# KiCad board input-output.Disk.kicad_pcb
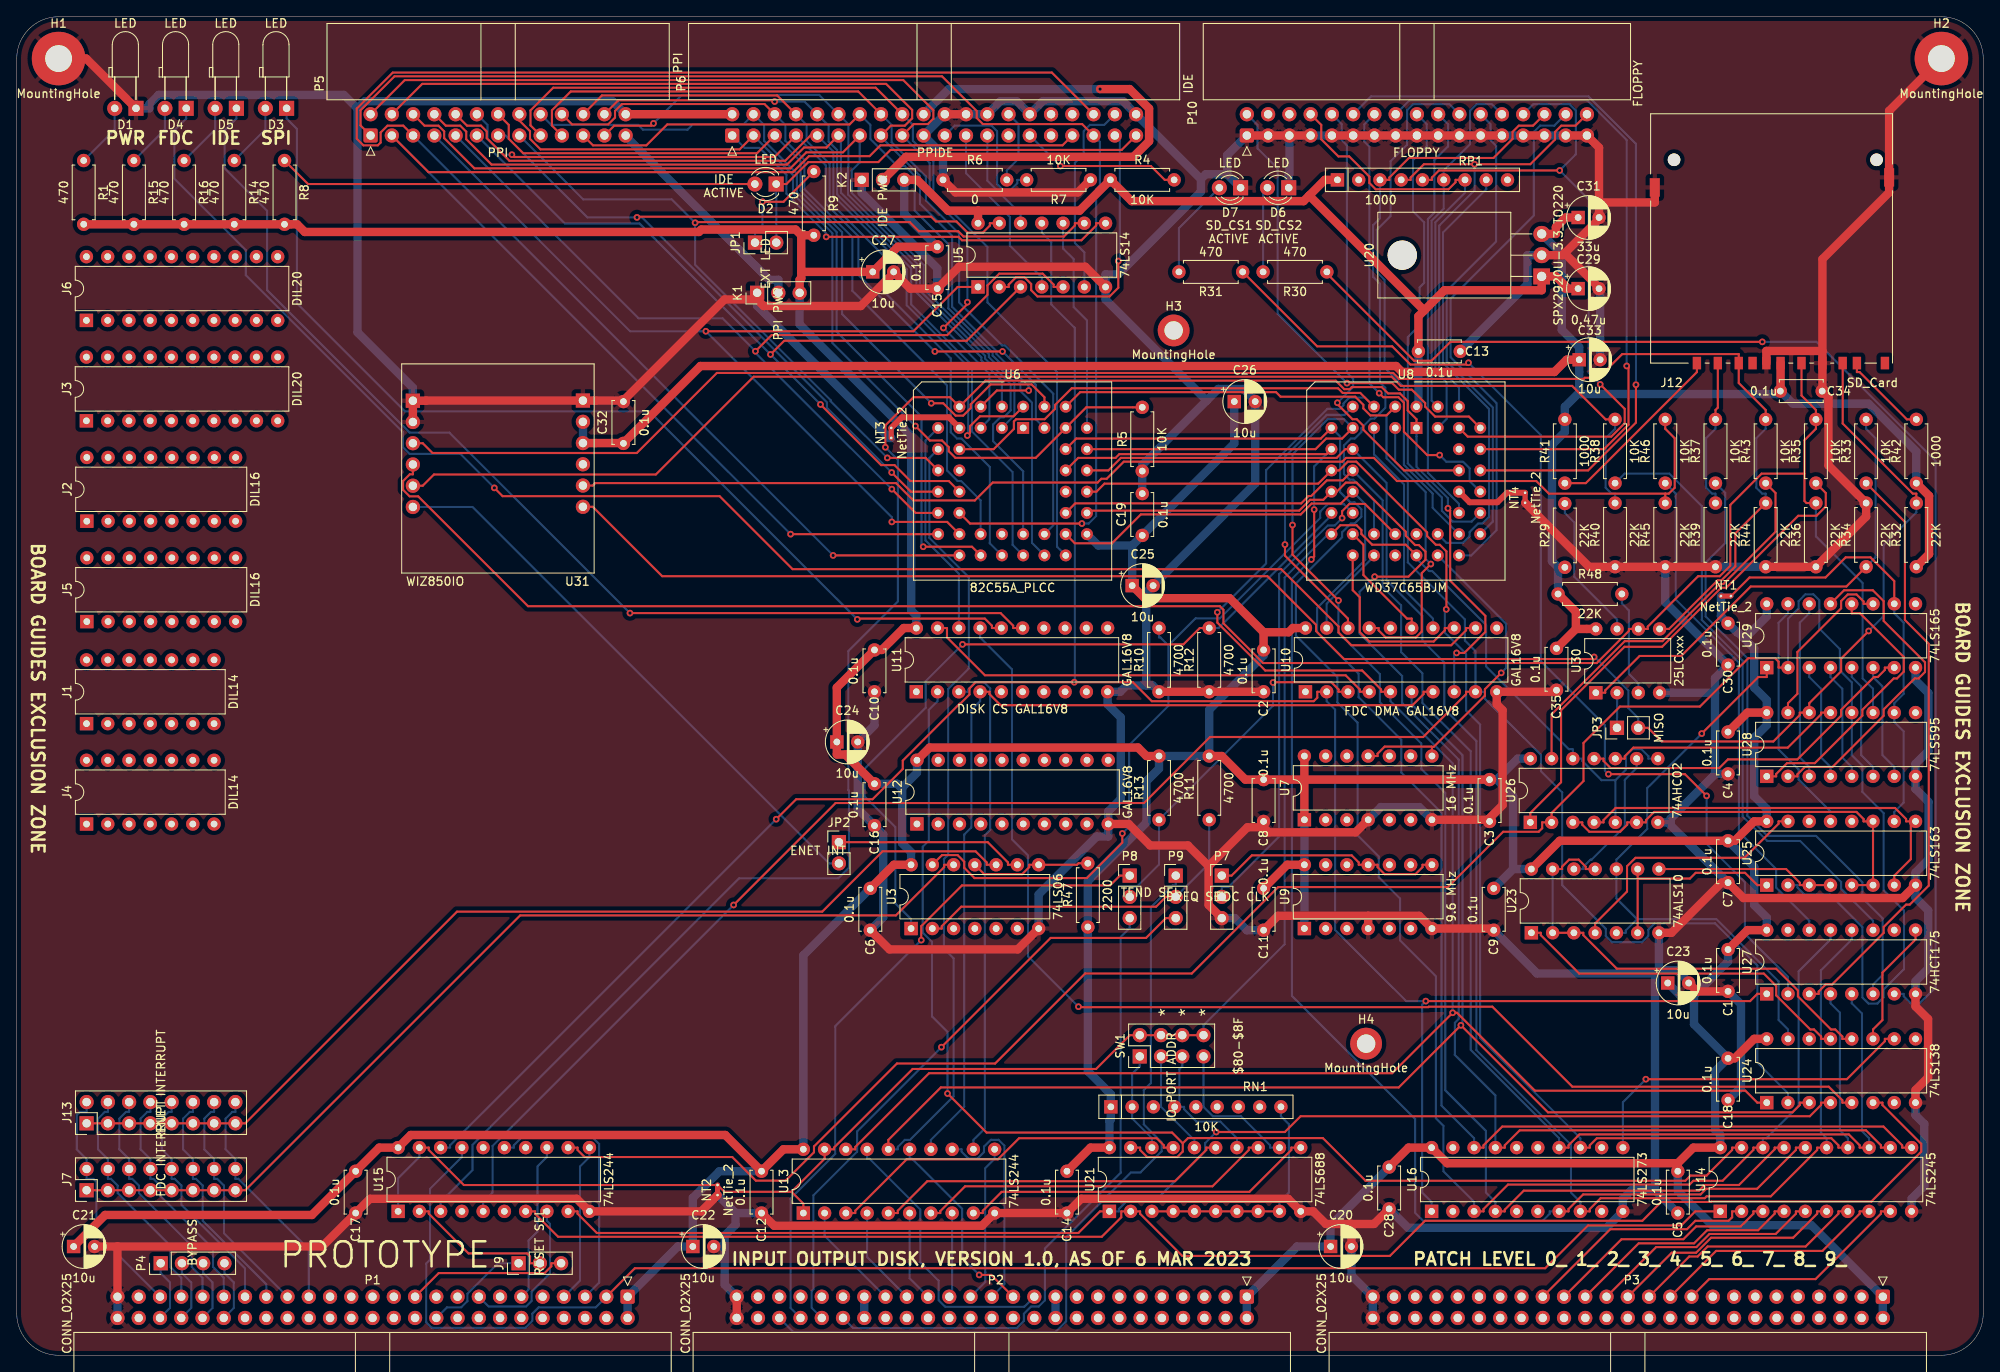
[diagram p0: board, top side]
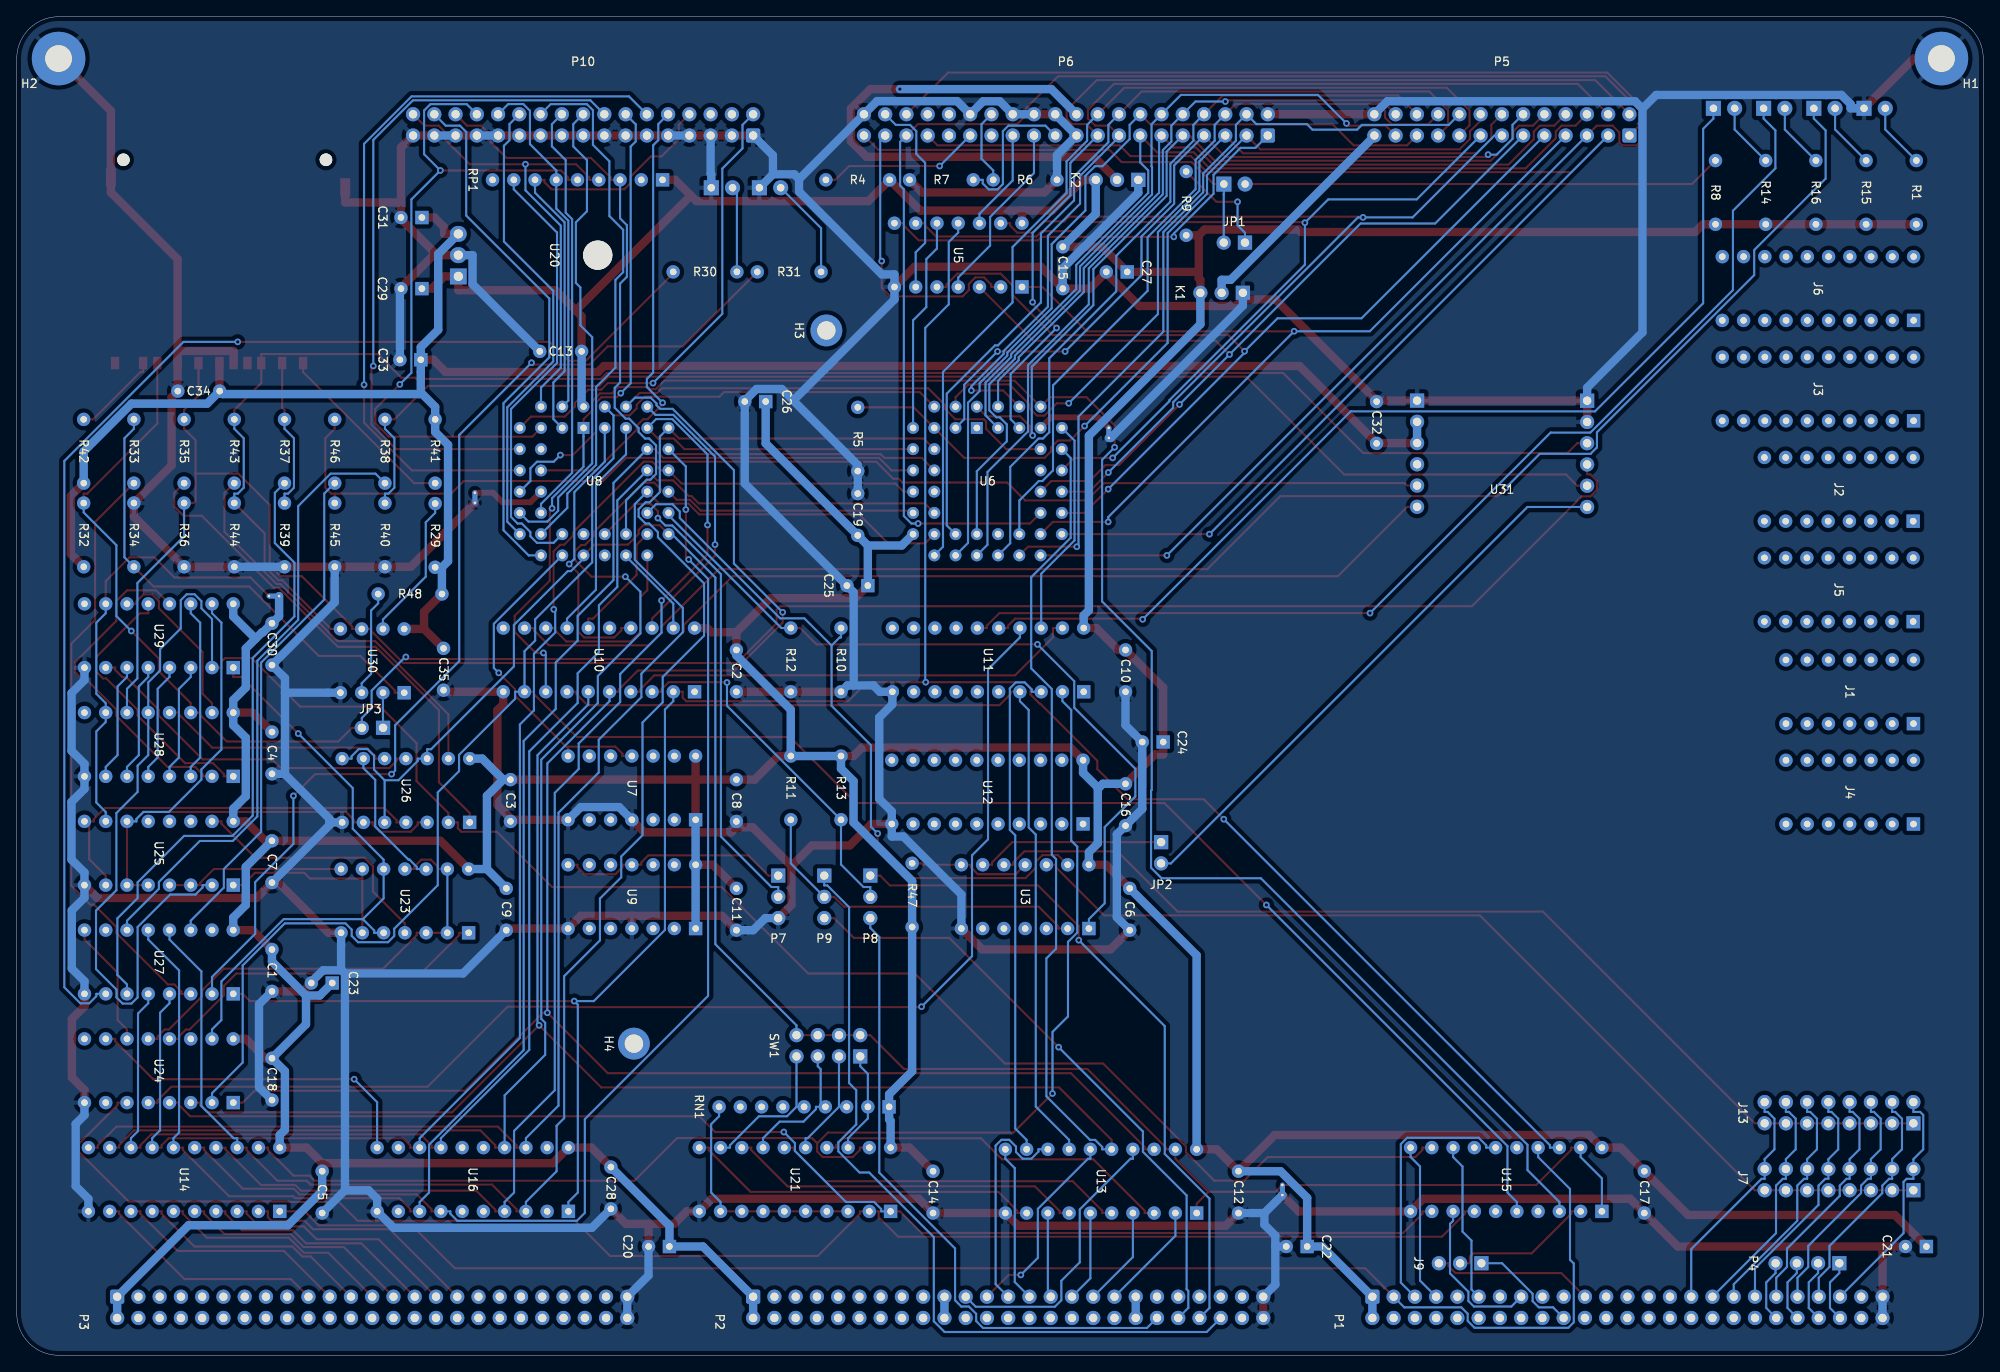
[diagram p1: board, bottom side, seen from below]

Outline 235 x 160 mm; copper layers: Top, Bottom. Coordinates in mm from the lower left corner of the outline.
Outline path: 0,155 0,5 arc(1.46,1.46) 5,0 230,0 arc(233.54,1.46) 235,5 235,155 arc(233.54,158.54) 230,160 5,160 arc(1.46,158.54) 0,155
Stack: Top 0.035mm / dielectric 1.51mm FR4 er 4.5 / Bottom 0.035mm

## Placement (name value [footprint] x y rotation side)
C1  0.1u  [C_Disc_D5.0mm_W2.5mm_P5.00mm]  204.5 48.5 270 top
C2  0.1u  [C_Disc_D5.0mm_W2.5mm_P5.00mm]  149 84.31 270 top
C3  0.1u  [C_Disc_D5.0mm_W2.5mm_P5.00mm]  176 68.81 270 top
C4  0.1u  [C_Disc_D5.0mm_W2.5mm_P5.00mm]  204.5 74.5 270 top
C5  0.1u  [C_Disc_D5.0mm_W2.5mm_P5.00mm]  198.5 22 270 top
C6  0.1u  [C_Disc_D5.0mm_W2.5mm_P5.00mm]  102 55.81 270 top
C7  0.1u  [C_Disc_D5.0mm_W2.5mm_P5.00mm]  204.5 61.5 270 top
C8  0.1u  [C_Disc_D5.0mm_W2.5mm_P5.00mm]  149 68.81 270 top
C9  0.1u  [C_Disc_D5.0mm_W2.5mm_P5.00mm]  176.5 55.81 270 top
C10  0.1u  [C_Disc_D5.0mm_W2.5mm_P5.00mm]  102.5 84.31 270 top
C11  0.1u  [C_Disc_D5.0mm_W2.5mm_P5.00mm]  149 55.81 270 top
C12  0.1u  [C_Disc_D5.0mm_W2.5mm_P5.00mm]  89 22 270 top
C13  0.1u  [C_Disc_D5.0mm_W2.5mm_P5.00mm]  167.5 120 0 top
C14  0.1u  [C_Disc_D5.0mm_W2.5mm_P5.00mm]  125.5 22 270 top
C15  0.1u  [C_Disc_D5.0mm_W2.5mm_P5.00mm]  110 132.5 270 top
C16  0.1u  [C_Disc_D5.0mm_W2.5mm_P5.00mm]  102.5 68.31 270 top
C17  0.1u  [C_Disc_D5.0mm_W2.5mm_P5.00mm]  40.5 22 270 top
C18  0.1u  [C_Disc_D5.0mm_W2.5mm_P5.00mm]  204.5 35.5 270 top
C19  0.1u  [C_Disc_D5.0mm_W2.5mm_P5.00mm]  134.5 98 90 top
C20  10u  [CP_Radial_D5.0mm_P2.50mm]  157 13 0 top
C21  10u  [CP_Radial_D5.0mm_P2.50mm]  6.79 13 0 top
C22  10u  [CP_Radial_D5.0mm_P2.50mm]  80.79 13 0 top
C23  10u  [CP_Radial_D5.0mm_P2.50mm]  197.29 44.5 0 top
C24  10u  [CP_Radial_D5.0mm_P2.50mm]  98 73.31 0 top
C25  10u  [CP_Radial_D5.0mm_P2.50mm]  133.29 92 0 top
C26  10u  [CP_Radial_D5.0mm_P2.50mm]  145.5 114 0 top
C27  10u  [CP_Radial_D5.0mm_P2.50mm]  102.29 129.5 0 top
C28  0.1u  [C_Disc_D5.0mm_W2.5mm_P5.00mm]  164 22.5 270 top
C29  0.47u  [CP_Radial_D5.0mm_P2.50mm]  186.58 127.5 0 top
C30  0.1u  [C_Disc_D5.0mm_W2.5mm_P5.00mm]  204.5 87.5 270 top
C31  33u  [CP_Radial_D5.0mm_P2.50mm]  186.58 136 0 top
C32  0.1u  [C_Disc_D5.0mm_W2.5mm_P5.00mm]  72.5 109 90 top
C33  10u  [CP_Radial_D5.0mm_P2.50mm]  186.71 119 0 top
C34  0.1u  [C_Disc_D5.0mm_W2.5mm_P5.00mm]  210.75 115.25 0 top
C35  0.1u  [C_Disc_D5.0mm_W2.5mm_P5.00mm]  184 84.5 270 top
D1  LED  [LED_D3.0mm_Horizontal_O3.81mm_Z2.0mm]  14.25 149.05 180 top
D2  LED  [LED_D3.0mm]  90.75 140 180 top
D3  LED  [LED_D3.0mm_Horizontal_O3.81mm_Z2.0mm]  32.25 149.05 180 top
D4  LED  [LED_D3.0mm_Horizontal_O3.81mm_Z2.0mm]  20.25 149.05 180 top
D5  LED  [LED_D3.0mm_Horizontal_O3.81mm_Z2.0mm]  26.25 149.05 180 top
D6  LED  [LED_D3.0mm]  152 139.56 180 top
D7  LED  [LED_D3.0mm]  146.25 139.56 180 top
H1  MountingHole  [MountingHole_3.2mm_M3_Pad]  5 155 0 top
H2  MountingHole  [MountingHole_3.2mm_M3_Pad]  230 155 0 top
H3  MountingHole  [MountingHole_2.2mm_M2_DIN965_Pad]  138.25 122.5 0 top
H4  MountingHole  [MountingHole_2.2mm_M2_DIN965_Pad]  161.25 37.25 0 top
J1  DIL14  [DIP-14_W7.62mm]  8.34 75.5 90 top
J2  DIL16  [DIP-16_W7.62mm]  8.38 99.7 90 top
J3  DIL20  [DIP-20_W7.62mm]  8.33 111.7 90 top
J4  DIL14  [DIP-14_W7.62mm]  8.34 63.5 90 top
J5  DIL16  [DIP-16_W7.62mm]  8.38 87.7 90 top
J6  DIL20  [DIP-20_W7.62mm]  8.33 123.7 90 top
J7  FDC INTERRUPT  [PinHeader_2x08_P2.54mm_Vertical]  8.35 19.72 90 top
J9  RESET SEL  [PinHeader_1x03_P2.54mm_Vertical]  59.97 11 90 top
J12  SD_Card  [SD_Card_Receptacle]  209.75 130.75 180 top
J13  ENET INTERRUPT  [PinHeader_2x08_P2.54mm_Vertical]  8.35 27.72 90 top
JP1  EXT LED  [PinHeader_1x02_P2.54mm_Vertical]  88.22 133 90 top
JP2  ENET INT  [PinHeader_1x02_P2.54mm_Vertical]  98.25 61.34 0 top
JP3  MISO  [PinHeader_1x02_P2.54mm_Vertical]  191.22 75 90 top
K1  PPI PWR  [PinHeader_1x03_P2.54mm_Vertical]  88.47 127 90 top
K2  IDE PWR  [PinHeader_1x03_P2.54mm_Vertical]  100.97 140.5 90 top
NT1  NetTie_2  [NetTie-2_THT_Pad0.3mm]  203.65 90.75 0 top
NT2  NetTie_2  [NetTie-2_THT_Pad0.3mm]  83.75 19.15 90 top
NT3  NetTie_2  [NetTie-2_THT_Pad0.3mm]  104.5 109.65 90 top
NT4  NetTie_2  [NetTie-2_THT_Pad0.3mm]  180.25 101.9 90 top
P1  CONN_02X25  [IDC-Header_2x25_P2.54mm_Horizontal]  73 7 270 top
P2  CONN_02X25  [IDC-Header_2x25_P2.54mm_Horizontal]  147 7 270 top
P3  CONN_02X25  [IDC-Header_2x25_P2.54mm_Horizontal]  223 7 270 top
P4  BYPASS  [PinHeader_1x04_P2.54mm_Vertical]  17.2 11 90 top
P5  PPI  [IDC-Header_2x13_P2.54mm_Horizontal]  42.28 145.8 90 top
P6  IDE  [IDC-Header_2x20_P2.54mm_Horizontal]  85.5 145.8 90 top
P7  FDC CLK  [PinHeader_1x03_P2.54mm_Vertical]  144 57.34 0 top
P8  TEND SEL  [PinHeader_1x03_P2.54mm_Vertical]  133 57.34 0 top
P9  DREQ SEL  [PinHeader_1x03_P2.54mm_Vertical]  138.5 57.34 0 top
P10  FLOPPY  [IDC-Header_2x17_P2.54mm_Horizontal]  147 145.8 90 top
R1  470  [R_Axial_DIN0207_L6.3mm_D2.5mm_P7.62mm_Horizontal]  8 142.81 270 top
R4  10K  [R_Axial_DIN0207_L6.3mm_D2.5mm_P7.62mm_Horizontal]  130.69 140.5 0 top
R5  10K  [R_Axial_DIN0207_L6.3mm_D2.5mm_P7.62mm_Horizontal]  134.5 105.69 90 top
R6  0  [R_Axial_DIN0207_L6.3mm_D2.5mm_P7.62mm_Horizontal]  110.69 140.5 0 top
R7  10K  [R_Axial_DIN0207_L6.3mm_D2.5mm_P7.62mm_Horizontal]  128.31 140.5 180 top
R8  470  [R_Axial_DIN0207_L6.3mm_D2.5mm_P7.62mm_Horizontal]  32 142.81 270 top
R9  470  [R_Axial_DIN0207_L6.3mm_D2.5mm_P7.62mm_Horizontal]  95.25 141.5 270 top
R10  4700  [R_Axial_DIN0207_L6.3mm_D2.5mm_P7.62mm_Horizontal]  136.5 79.31 90 top
R11  4700  [R_Axial_DIN0207_L6.3mm_D2.5mm_P7.62mm_Horizontal]  142.5 64.01 90 top
R12  4700  [R_Axial_DIN0207_L6.3mm_D2.5mm_P7.62mm_Horizontal]  142.5 79.31 90 top
R13  4700  [R_Axial_DIN0207_L6.3mm_D2.5mm_P7.62mm_Horizontal]  136.5 64.01 90 top
R14  470  [R_Axial_DIN0207_L6.3mm_D2.5mm_P7.62mm_Horizontal]  26 142.81 270 top
R15  470  [R_Axial_DIN0207_L6.3mm_D2.5mm_P7.62mm_Horizontal]  14 142.81 270 top
R16  470  [R_Axial_DIN0207_L6.3mm_D2.5mm_P7.62mm_Horizontal]  20 142.81 270 top
R29  22K  [R_Axial_DIN0207_L6.3mm_D2.5mm_P7.62mm_Horizontal]  185 94.19 90 top
R30  470  [R_Axial_DIN0207_L6.3mm_D2.5mm_P7.62mm_Horizontal]  156.56 129.5 180 top
R31  470  [R_Axial_DIN0207_L6.3mm_D2.5mm_P7.62mm_Horizontal]  146.5 129.5 180 top
R32  22K  [R_Axial_DIN0207_L6.3mm_D2.5mm_P7.62mm_Horizontal]  227 94.25 90 top
R33  10K  [R_Axial_DIN0207_L6.3mm_D2.5mm_P7.62mm_Horizontal]  221 104.25 90 top
R34  22K  [R_Axial_DIN0207_L6.3mm_D2.5mm_P7.62mm_Horizontal]  221 94.25 90 top
R35  10K  [R_Axial_DIN0207_L6.3mm_D2.5mm_P7.62mm_Horizontal]  215 104.25 90 top
R36  22K  [R_Axial_DIN0207_L6.3mm_D2.5mm_P7.62mm_Horizontal]  215 94.25 90 top
R37  10K  [R_Axial_DIN0207_L6.3mm_D2.5mm_P7.62mm_Horizontal]  203 104.25 90 top
R38  10K  [R_Axial_DIN0207_L6.3mm_D2.5mm_P7.62mm_Horizontal]  191 104.25 90 top
R39  22K  [R_Axial_DIN0207_L6.3mm_D2.5mm_P7.62mm_Horizontal]  203 94.25 90 top
R40  22K  [R_Axial_DIN0207_L6.3mm_D2.5mm_P7.62mm_Horizontal]  191 94.25 90 top
R41  1000  [R_Axial_DIN0207_L6.3mm_D2.5mm_P7.62mm_Horizontal]  185 104.25 90 top
R42  1000  [R_Axial_DIN0207_L6.3mm_D2.5mm_P7.62mm_Horizontal]  227 104.25 90 top
R43  10K  [R_Axial_DIN0207_L6.3mm_D2.5mm_P7.62mm_Horizontal]  209 104.25 90 top
R44  22K  [R_Axial_DIN0207_L6.3mm_D2.5mm_P7.62mm_Horizontal]  209 94.25 90 top
R45  22K  [R_Axial_DIN0207_L6.3mm_D2.5mm_P7.62mm_Horizontal]  197 94.25 90 top
R46  10K  [R_Axial_DIN0207_L6.3mm_D2.5mm_P7.62mm_Horizontal]  197 104.25 90 top
R47  2200  [R_Axial_DIN0207_L6.3mm_D2.5mm_P7.62mm_Horizontal]  128 51.19 90 top
R48  22K  [R_Axial_DIN0207_L6.3mm_D2.5mm_P7.62mm_Horizontal]  184.19 91 0 top
RN1  10K  [R_Array_SIP9]  130.75 29.69 0 top
RP1  1000  [R_Array_SIP9]  157.82 140.5 0 top
SW1  IO PORT ADDR  [PinHeader_2x04_P2.54mm_Vertical]  134.2 35.72 90 top
U3  74LS06  [DIP-14_W7.62mm]  106.88 51.01 90 top
U5  74LS14  [DIP-14_W7.62mm]  114.88 127.7 90 top
U6  82C55A_PLCC  [PLCC-44_THT-Socket]  120.27 110.85 0 top
U7  16 MHz  [DIP-14_W7.62mm]  153.88 64.01 90 top
U8  WD37C65BJM  [PLCC-44_THT-Socket]  167.27 110.85 0 top
U9  9.6 MHz  [DIP-14_W7.62mm]  153.88 51.01 90 top
U10  GAL16V8  [DIP-20_W7.62mm]  154 79.31 90 top
U11  GAL16V8  [DIP-20_W7.62mm]  107.5 79.31 90 top
U12  GAL16V8  [DIP-20_W7.62mm]  107.57 63.51 90 top
U13  74LS244  [DIP-20_W7.62mm]  94 17 90 top
U14  74LS245  [DIP-20_W7.62mm]  203.57 17.2 90 top
U15  74LS244  [DIP-20_W7.62mm]  45.58 17.2 90 top
U16  74LS273  [DIP-20_W7.62mm]  169.07 17.2 90 top
U20  SPX2920U-3.3_TO220  [TO-220-3_Horizontal_TabDown]  182.23 128.96 90 top
U21  74LS688  [DIP-20_W7.62mm]  130.57 17.2 90 top
U23  74ALS10  [DIP-14_W7.62mm]  181 50.5 90 top
U24  74LS138  [DIP-16_W7.62mm]  209.12 30.2 90 top
U25  74LS163  [DIP-16_W7.62mm]  209.12 56.2 90 top
U26  74AHC02  [DIP-14_W7.62mm]  180.88 63.7 90 top
U27  74HCT175  [DIP-16_W7.62mm]  209.12 43.2 90 top
U28  74LS595  [DIP-16_W7.62mm]  209.12 69.2 90 top
U29  74LS165  [DIP-16_W7.62mm]  209.12 82.2 90 top
U30  25LCxxx  [DIP-8_W7.62mm]  188.7 79.2 90 top
U31  -  [WIZ850IO]  57.5 106 0 top

## Footprints (pads in the part's own frame, mm; a bottom-side part is the same pattern mirrored in y, then rotated)
C_Disc_D5.0mm_W2.5mm_P5.00mm
  round 1.6 hole 0.8: 1(0,0) 2(5,0)
CP_Radial_D5.0mm_P2.50mm
  rect 1.6x1.6 hole 0.8: 1(0,0)
  round 1.6 hole 0.8: 2(2.5,0)
DIP-8_W7.62mm
  rect 1.6x1.6 hole 0.8: 1(0,0)
  oval 1.6x1.6 hole 0.8: 2(0,-2.54) 3(0,-5.08) 4(0,-7.62) 5(7.62,-7.62) 6(7.62,-5.08) 7(7.62,-2.54) 8(7.62,0)
DIP-14_W7.62mm
  rect 1.6x1.6 hole 0.8: 1(0,0)
  oval 1.6x1.6 hole 0.8: 2(0,-2.54) 3(0,-5.08) 4(0,-7.62) 5(0,-10.16) 6(0,-12.7) 7(0,-15.24) 8(7.62,-15.24) 9(7.62,-12.7) 10(7.62,-10.16) 11(7.62,-7.62) 12(7.62,-5.08) 13(7.62,-2.54) 14(7.62,0)
DIP-16_W7.62mm
  rect 1.6x1.6 hole 0.8: 1(0,0)
  oval 1.6x1.6 hole 0.8: 2(0,-2.54) 3(0,-5.08) 4(0,-7.62) 5(0,-10.16) 6(0,-12.7) 7(0,-15.24) 8(0,-17.78) 9(7.62,-17.78) 10(7.62,-15.24) 11(7.62,-12.7) 12(7.62,-10.16) 13(7.62,-7.62) 14(7.62,-5.08) 15(7.62,-2.54) 16(7.62,0)
DIP-20_W7.62mm
  rect 1.6x1.6 hole 0.8: 1(0,0)
  oval 1.6x1.6 hole 0.8: 2(0,-2.54) 3(0,-5.08) 4(0,-7.62) 5(0,-10.16) 6(0,-12.7) 7(0,-15.24) 8(0,-17.78) 9(0,-20.32) 10(0,-22.86) 11(7.62,-22.86) 12(7.62,-20.32) 13(7.62,-17.78) 14(7.62,-15.24) 15(7.62,-12.7) 16(7.62,-10.16) 17(7.62,-7.62) 18(7.62,-5.08) 19(7.62,-2.54) 20(7.62,0)
IDC-Header_2x13_P2.54mm_Horizontal
  rrect 1.7x1.7 hole 1: 1(0,0)
  round 1.7 hole 1: 2(2.54,0) 3(0,-2.54) 4(2.54,-2.54) 5(0,-5.08) 6(2.54,-5.08) 7(0,-7.62) 8(2.54,-7.62) 9(0,-10.16) 10(2.54,-10.16) 11(0,-12.7) 12(2.54,-12.7) 13(0,-15.24) 14(2.54,-15.24) 15(0,-17.78) 16(2.54,-17.78) 17(0,-20.32) 18(2.54,-20.32) 19(0,-22.86) 20(2.54,-22.86) 21(0,-25.4) 22(2.54,-25.4) 23(0,-27.94) 24(2.54,-27.94) 25(0,-30.48) 26(2.54,-30.48)
IDC-Header_2x17_P2.54mm_Horizontal
  rrect 1.7x1.7 hole 1: 1(0,0)
  round 1.7 hole 1: 2(2.54,0) 3(0,-2.54) 4(2.54,-2.54) 5(0,-5.08) 6(2.54,-5.08) 7(0,-7.62) 8(2.54,-7.62) 9(0,-10.16) 10(2.54,-10.16) 11(0,-12.7) 12(2.54,-12.7) 13(0,-15.24) 14(2.54,-15.24) 15(0,-17.78) 16(2.54,-17.78) 17(0,-20.32) 18(2.54,-20.32) 19(0,-22.86) 20(2.54,-22.86) 21(0,-25.4) 22(2.54,-25.4) 23(0,-27.94) 24(2.54,-27.94) 25(0,-30.48) 26(2.54,-30.48) 27(0,-33.02) 28(2.54,-33.02) 29(0,-35.56) 30(2.54,-35.56) 31(0,-38.1) 32(2.54,-38.1) 33(0,-40.64) 34(2.54,-40.64)
IDC-Header_2x20_P2.54mm_Horizontal
  rrect 1.7x1.7 hole 1: 1(0,0)
  round 1.7 hole 1: 2(2.54,0) 3(0,-2.54) 4(2.54,-2.54) 5(0,-5.08) 6(2.54,-5.08) 7(0,-7.62) 8(2.54,-7.62) 9(0,-10.16) 10(2.54,-10.16) 11(0,-12.7) 12(2.54,-12.7) 13(0,-15.24) 14(2.54,-15.24) 15(0,-17.78) 16(2.54,-17.78) 17(0,-20.32) 18(2.54,-20.32) 19(0,-22.86) 20(2.54,-22.86) 21(0,-25.4) 22(2.54,-25.4) 23(0,-27.94) 24(2.54,-27.94) 25(0,-30.48) 26(2.54,-30.48) 27(0,-33.02) 28(2.54,-33.02) 29(0,-35.56) 30(2.54,-35.56) 31(0,-38.1) 32(2.54,-38.1) 33(0,-40.64) 34(2.54,-40.64) 35(0,-43.18) 36(2.54,-43.18) 37(0,-45.72) 38(2.54,-45.72) 39(0,-48.26) 40(2.54,-48.26)
IDC-Header_2x25_P2.54mm_Horizontal
  rrect 1.7x1.7 hole 1: 1(0,0)
  round 1.7 hole 1: 2(2.54,0) 3(0,-2.54) 4(2.54,-2.54) 5(0,-5.08) 6(2.54,-5.08) 7(0,-7.62) 8(2.54,-7.62) 9(0,-10.16) 10(2.54,-10.16) 11(0,-12.7) 12(2.54,-12.7) 13(0,-15.24) 14(2.54,-15.24) 15(0,-17.78) 16(2.54,-17.78) 17(0,-20.32) 18(2.54,-20.32) 19(0,-22.86) 20(2.54,-22.86) 21(0,-25.4) 22(2.54,-25.4) 23(0,-27.94) 24(2.54,-27.94) 25(0,-30.48) 26(2.54,-30.48) 27(0,-33.02) 28(2.54,-33.02) 29(0,-35.56) 30(2.54,-35.56) 31(0,-38.1) 32(2.54,-38.1) 33(0,-40.64) 34(2.54,-40.64) 35(0,-43.18) 36(2.54,-43.18) 37(0,-45.72) 38(2.54,-45.72) 39(0,-48.26) 40(2.54,-48.26) 41(0,-50.8) 42(2.54,-50.8) 43(0,-53.34) 44(2.54,-53.34) 45(0,-55.88) 46(2.54,-55.88) 47(0,-58.42) 48(2.54,-58.42) 49(0,-60.96) 50(2.54,-60.96)
LED_D3.0mm
  rect 1.8x1.8 hole 0.9: 1(0,0)
  round 1.8 hole 0.9: 2(2.54,0)
LED_D3.0mm_Horizontal_O3.81mm_Z2.0mm
  rect 1.8x1.8 hole 0.9: 1(0,0)
  round 1.8 hole 0.9: 2(2.54,0)
MountingHole_2.2mm_M2_DIN965_Pad
  round 3.8 hole 2.2: 1(0,0)
MountingHole_3.2mm_M3_Pad
  round 6.4 hole 3.2: 1(0,0)
NetTie-2_THT_Pad0.3mm
  round 0.6 hole 0.3: 1(0,0) 2(1.2,0)
PinHeader_1x02_P2.54mm_Vertical
  rect 1.7x1.7 hole 1: 1(0,0)
  oval 1.7x1.7 hole 1: 2(0,-2.54)
PinHeader_1x03_P2.54mm_Vertical
  rect 1.7x1.7 hole 1: 1(0,0)
  oval 1.7x1.7 hole 1: 2(0,-2.54) 3(0,-5.08)
PinHeader_1x04_P2.54mm_Vertical
  rect 1.7x1.7 hole 1: 1(0,0)
  oval 1.7x1.7 hole 1: 2(0,-2.54) 3(0,-5.08) 4(0,-7.62)
PinHeader_2x04_P2.54mm_Vertical
  rect 1.7x1.7 hole 1: 1(0,0)
  oval 1.7x1.7 hole 1: 2(2.54,0) 3(0,-2.54) 4(2.54,-2.54) 5(0,-5.08) 6(2.54,-5.08) 7(0,-7.62) 8(2.54,-7.62)
PinHeader_2x08_P2.54mm_Vertical
  rect 1.7x1.7 hole 1: 1(0,0)
  oval 1.7x1.7 hole 1: 2(2.54,0) 3(0,-2.54) 4(2.54,-2.54) 5(0,-5.08) 6(2.54,-5.08) 7(0,-7.62) 8(2.54,-7.62) 9(0,-10.16) 10(2.54,-10.16) 11(0,-12.7) 12(2.54,-12.7) 13(0,-15.24) 14(2.54,-15.24) 15(0,-17.78) 16(2.54,-17.78)
PLCC-44_THT-Socket
  rect 1.422x1.422 hole 0.8: 1(0,0)
  round 1.422 hole 0.8: 2(-2.54,2.54) 3(-2.54,0) 4(-5.08,2.54) 5(-5.08,0) 6(-7.62,2.54) 7(-10.16,0) 8(-7.62,0) 9(-10.16,-2.54) 10(-7.62,-2.54) 11(-10.16,-5.08) 12(-7.62,-5.08) 13(-10.16,-7.62) 14(-7.62,-7.62) 15(-10.16,-10.16) 16(-7.62,-10.16) 17(-10.16,-12.7) 18(-7.62,-15.24) 19(-7.62,-12.7) 20(-5.08,-15.24) 21(-5.08,-12.7) 22(-2.54,-15.24) 23(-2.54,-12.7) 24(0,-15.24) 25(0,-12.7) 26(2.54,-15.24) 27(2.54,-12.7) 28(5.08,-15.24) 29(7.62,-12.7) 30(5.08,-12.7) 31(7.62,-10.16) 32(5.08,-10.16) 33(7.62,-7.62) 34(5.08,-7.62) 35(7.62,-5.08) 36(5.08,-5.08) 37(7.62,-2.54) 38(5.08,-2.54) 39(7.62,0) 40(5.08,2.54) 41(5.08,0) 42(2.54,2.54) 43(2.54,0) 44(0,2.54)
R_Array_SIP9
  rect 1.6x1.6 hole 0.8: 1(0,0)
  oval 1.6x1.6 hole 0.8: 2(2.54,0) 3(5.08,0) 4(7.62,0) 5(10.16,0) 6(12.7,0) 7(15.24,0) 8(17.78,0) 9(20.32,0)
R_Axial_DIN0207_L6.3mm_D2.5mm_P7.62mm_Horizontal
  round 1.6 hole 0.8: 1(0,0)
  oval 1.6x1.6 hole 0.8: 2(7.62,0)
SD_Card_Receptacle
  round 1.5 hole 1.5 unplated: (-12.5,-12.15) (11.7,-12.15)
  rect 1x1.5 smd: 1(6.47,12.15) 2(3.97,12.15) 3(0.67,12.15) 4(-1.03,12.15) 5(-3.53,12.15) 6(-6.03,12.15) 7(-8.45,12.15) 8(-10.15,12.15) 9(8.97,12.15) 10(2.32,12.15) 11(-13.5,12.15)
  rect 1.2x2.2 smd: 12(14,-8.85) 13(-14,-10.05)
TO-220-3_Horizontal_TabDown
  oval 3.5x3.5 hole 3.5 unplated: (2.54,16.66)
  rect 1.905x2 hole 1.1: 1(0,0)
  oval 1.905x2 hole 1.1: 2(2.54,0) 3(5.08,0)
WIZ850IO
  rect 1.7x1.7 hole 1: J1-1(-10.16,8.1) J2-1(10.16,8.12)
  oval 1.7x1.7 hole 1: J1-2(-10.16,5.56) J1-3(-10.16,3.02) J1-4(-10.16,0.48) J1-5(-10.16,-2.06) J1-6(-10.16,-4.6) J2-2(10.16,5.58) J2-3(10.16,3.04) J2-4(10.16,0.5) J2-5(10.16,-2.04) J2-6(10.16,-4.58)

## Nets
+12V: P2.19 P2.20
-12V: P2.37 P2.38
/FDC/GND_PLCC: NT4.2 U8.34
/PPIDE/GND_PLCC: NT3.2 U6.8
/PPIDE/VCC_IDE: K2.2 P6.20
/PPIDE/VCC_PP: K1.2 P5.25
GND: C1.2 C2.2 C3.2 C4.2 C5.2 C6.2 C7.2 C8.2 C9.2 C10.2 C11.2 C12.2 C13.2 C14.2 C15.2 C16.2 C17.2 C18.2 C19.2 C20.2 C21.2 C22.2 C23.2 C24.2 C25.2 C26.2 C27.2 C28.2 C29.2 C30.2 C31.2 C32.2 C33.2 C34.2 C35.2 D1.1 D6.1 D7.1 H1.1 H2.1 J12.3 J12.6 J12.12 J12.13 K1.1 K2.1 NT2.1 NT3.1 NT4.1 P1.49 P1.50 P2.49 P2.50 P3.49 P3.50 P5.26 P6.2 P6.19 P6.22 P6.24 P6.26 P6.30 P6.40 P7.3 P10.1 P10.3 P10.5 P10.7 P10.9 P10.11 P10.13 P10.15 P10.17 P10.19 P10.21 P10.23 P10.25 P10.27 P10.29 P10.31 P10.33 R5.1 R6.1 R7.1 R10.1 R12.1 R34.2 R36.1 R39.1 R40.1 R44.1 R45.1 U3.7 U5.7 U7.4 U7.7 U9.4 U9.7 U10.10 U11.10 U12.10 U13.10 U14.10 U15.10 U16.10 U20.2 U21.10 U23.7 U24.8 U25.8 U26.7 U27.8 U28.8 U29.8 U30.4 U31.J1-1 U31.J1-2 U31.J2-1
VCC: C1.1 C2.1 C3.1 C4.1 C5.1 C6.1 C7.1 C8.1 C9.1 C10.1 C11.1 C12.1 C13.1 C14.1 C15.1 C16.1 C17.1 C18.1 C19.1 C20.1 C21.1 C22.1 C23.1 C24.1 C25.1 C26.1 C27.1 C28.1 C29.1 C30.1 K1.3 K2.3 NT1.1 P1.1 P1.2 P2.1 P2.2 P3.1 P3.2 R1.2 R4.1 R8.2 R9.2 R11.2 R13.2 R14.2 R15.2 R16.2 R47.1 RN1.1 RP1.1 U3.14 U5.14 U6.29 U7.1 U7.14 U8.44 U9.1 U9.14 U10.20 U11.20 U12.20 U13.20 U14.20 U15.20 U16.20 U20.1 U21.20 U23.14 U24.16 U25.16 U26.14 U27.16 U28.16 U29.16
VDD: C31.1 C32.1 C33.1 C34.1 C35.1 J12.4 R29.1 R32.1 R41.2 R42.1 R48.1 U20.3 U30.8 U31.J2-2 U31.J2-3
16MHZ-CLK: U7.8 U7.11 U8.26
/bus/A8: P2.17
/bus/A9: P2.15
/bus/A10: P2.13
/bus/A11: P2.11
/bus/A12: P2.9
/bus/A13: P2.7
/bus/A14: P2.5
/bus/A15: P2.3
/bus/A16: P2.36
/bus/A17: P2.34
/bus/A18: P2.32
/bus/A19: P2.30
/bus/A20: P2.28
/bus/A21: P2.26
/bus/A22: P2.24
/bus/A23: P2.22
/bus/A24: P2.18
/bus/A25: P2.16
/bus/A26: P2.14
/bus/A27: P2.12
/bus/A28: P2.10
/bus/A29: P2.8
/bus/A30: P2.6
/bus/A31: P2.4
/bus/AUXCLK0: P2.48
/bus/AUXCLK1: P2.47
/bus/AUXCLK2: P3.48
/bus/AUXCLK3: P3.46
/bus/CRUCLK: P1.14
/bus/CRUIN: P1.18
/bus/CRUOUT: P1.16
/bus/D8: P3.17
/bus/D9: P3.15
/bus/D10: P3.13
/bus/D11: P3.11
/bus/D12: P3.9
/bus/D13: P3.7
/bus/D14: P3.5
/bus/D15: P3.3
/bus/D16: P3.34
/bus/D17: P3.32
/bus/D18: P3.30
/bus/D19: P3.28
/bus/D20: P3.26
/bus/D21: P3.24
/bus/D22: P3.22
/bus/D23: P3.20
/bus/D24: P3.18
/bus/D25: P3.16
/bus/D26: P3.14
/bus/D27: P3.12
/bus/D28: P3.10
/bus/D29: P3.8
/bus/D30: P3.6
/bus/D31: P3.4
/bus/E: P1.4
/bus/I2C_SCL: P1.47
/bus/I2C_SDA: P1.48
/bus/IC0: P2.45
/bus/IC1: P2.43
/bus/IC2: P2.41
/bus/IC3: P2.39
/bus/IPL0: P3.47
/bus/IPL1: P3.45
/bus/IPL2: P3.43
/bus/LDS: P3.38
/bus/PHI: P1.8
/bus/S0: P3.44
/bus/S1: P3.42
/bus/S2: P3.40
/bus/ST: P1.6
/bus/UDS: P3.36
/bus/USER0: P1.38
/bus/USER1: P1.36
/bus/USER2: P1.34
/bus/USER3: P1.32
/bus/USER4: P1.30
/bus/USER5: P1.28
/bus/USER6: P1.26
/bus/USER7: P1.24
/bus/USER8: P1.22
/bus/~{BHE}: P3.41
/bus/~{BUSACK}: P1.13
/bus/~{BUSERR}: P3.35
/bus/~{BUSRQ}: P1.23
/bus/~{HALT}: P1.27
/bus/~{INT0}: P1.17
/bus/~{INT1}: P1.12
/bus/~{INT2}: P1.10
/bus/~{MREQ}: P1.9
/bus/~{NMI}: P1.19
/bus/~{RFSH}: P1.29
/bus/~{VMA}: P3.39
/bus/~{VPA}: P3.37
/bus/~{WAIT}: P1.25
/FDC/FDC_DMA: R12.2 U3.1 U8.15
/FDC/PCVAL: RP1.8 U8.27
/FDC/RDY: P9.2 R11.1 U3.2
/FDC/~{DCHG}: P10.34 RP1.4 U8.40
/FDC/~{DIRC}: P10.18 U8.31
/FDC/~{DS1}: P10.14 U8.33
/FDC/~{DS2}: P10.12 U8.35
/FDC/~{HS}: P10.32 U8.28
/FDC/~{IDX}: P10.8 RP1.7 U8.43
/FDC/~{INT_FDC}: J7.1 J7.3 J7.5 J7.7 J7.9 J7.11 J7.13 J7.15 U3.12
/FDC/~{MO1}: P10.10 U8.36
/FDC/~{MO2}: P10.16 U8.37
/FDC/~{RDD}: P10.30 RP1.3 U8.21
/FDC/~{RWC}: P10.2 U8.39
/FDC/~{STEP}: P10.20 U8.32
/FDC/~{TR00}: P10.26 RP1.6 U8.42
/FDC/~{WD}: P10.22 U8.30
/FDC/~{WE}: P10.24 U8.29
/FDC/~{WP}: P10.28 RP1.5 U8.41
/GAL/~{CS_FDC_LED}: D4.1 U10.12
/PPIDE/CSEL: P6.28 R6.2
/PPIDE/DMARQ: P6.21 R7.2
/PPIDE/INTRQ: P6.31
/PPIDE/IORDY: P6.27
/PPIDE/PA0: P5.2 P6.17 U6.5
/PPIDE/PA1: P5.4 P6.15 U6.4
/PPIDE/PA2: P5.6 P6.13 U6.3
/PPIDE/PA3: P5.8 P6.11 U6.2
/PPIDE/PA4: P5.10 P6.9 U6.44
/PPIDE/PA5: P5.12 P6.7 U6.43
/PPIDE/PA6: P5.14 P6.5 U6.42
/PPIDE/PA7: P5.16 P6.3 R5.2 U6.41
/PPIDE/PB0: P5.18 P6.4 U6.20
/PPIDE/PB1: P5.20 P6.6 U6.21
/PPIDE/PB2: P5.22 P6.8 U6.22
/PPIDE/PB3: P5.24 P6.10 U6.24
/PPIDE/PB4: P5.23 P6.12 U6.25
/PPIDE/PB5: P5.21 P6.14 U6.26
/PPIDE/PB6: P5.19 P6.16 U6.27
/PPIDE/PB7: P5.17 P6.18 U6.28
/PPIDE/PC0: P5.1 P6.35 U6.16
/PPIDE/PC1: P5.3 P6.33 U6.17
/PPIDE/PC2: P5.5 P6.36 U6.18
/PPIDE/PC3: P5.7 U5.1 U6.19
/PPIDE/PC4: P5.9 U5.5 U6.15
/PPIDE/PC5: P5.11 U5.3 U6.14
/PPIDE/PC6: P5.13 U5.13 U6.13
/PPIDE/PC7: P5.15 U5.9 U6.11
/PPIDE/~{ACTIVE}: D2.1 JP1.2 P6.39
/PPIDE/~{DMACK}: P6.29 R4.2
/PPIDE/~{IOCS16}: P6.32